# Altium PCB DL4-1AA.PcbDoc (part 5 of 5)
Units mm, origin at the board's own origin, x right, y up, seen from the top; angles counter-clockwise.
Board outline 200 x 80 mm, 4 copper layers (Top Layer, Mid 1 (GND), Mid 2 (PWR), Bottom Layer), stack 1.586 mm thick; 460 components, 324 nets, 1477 pads, 491 vias.
Unrouted connection lines stored in the file: 2.
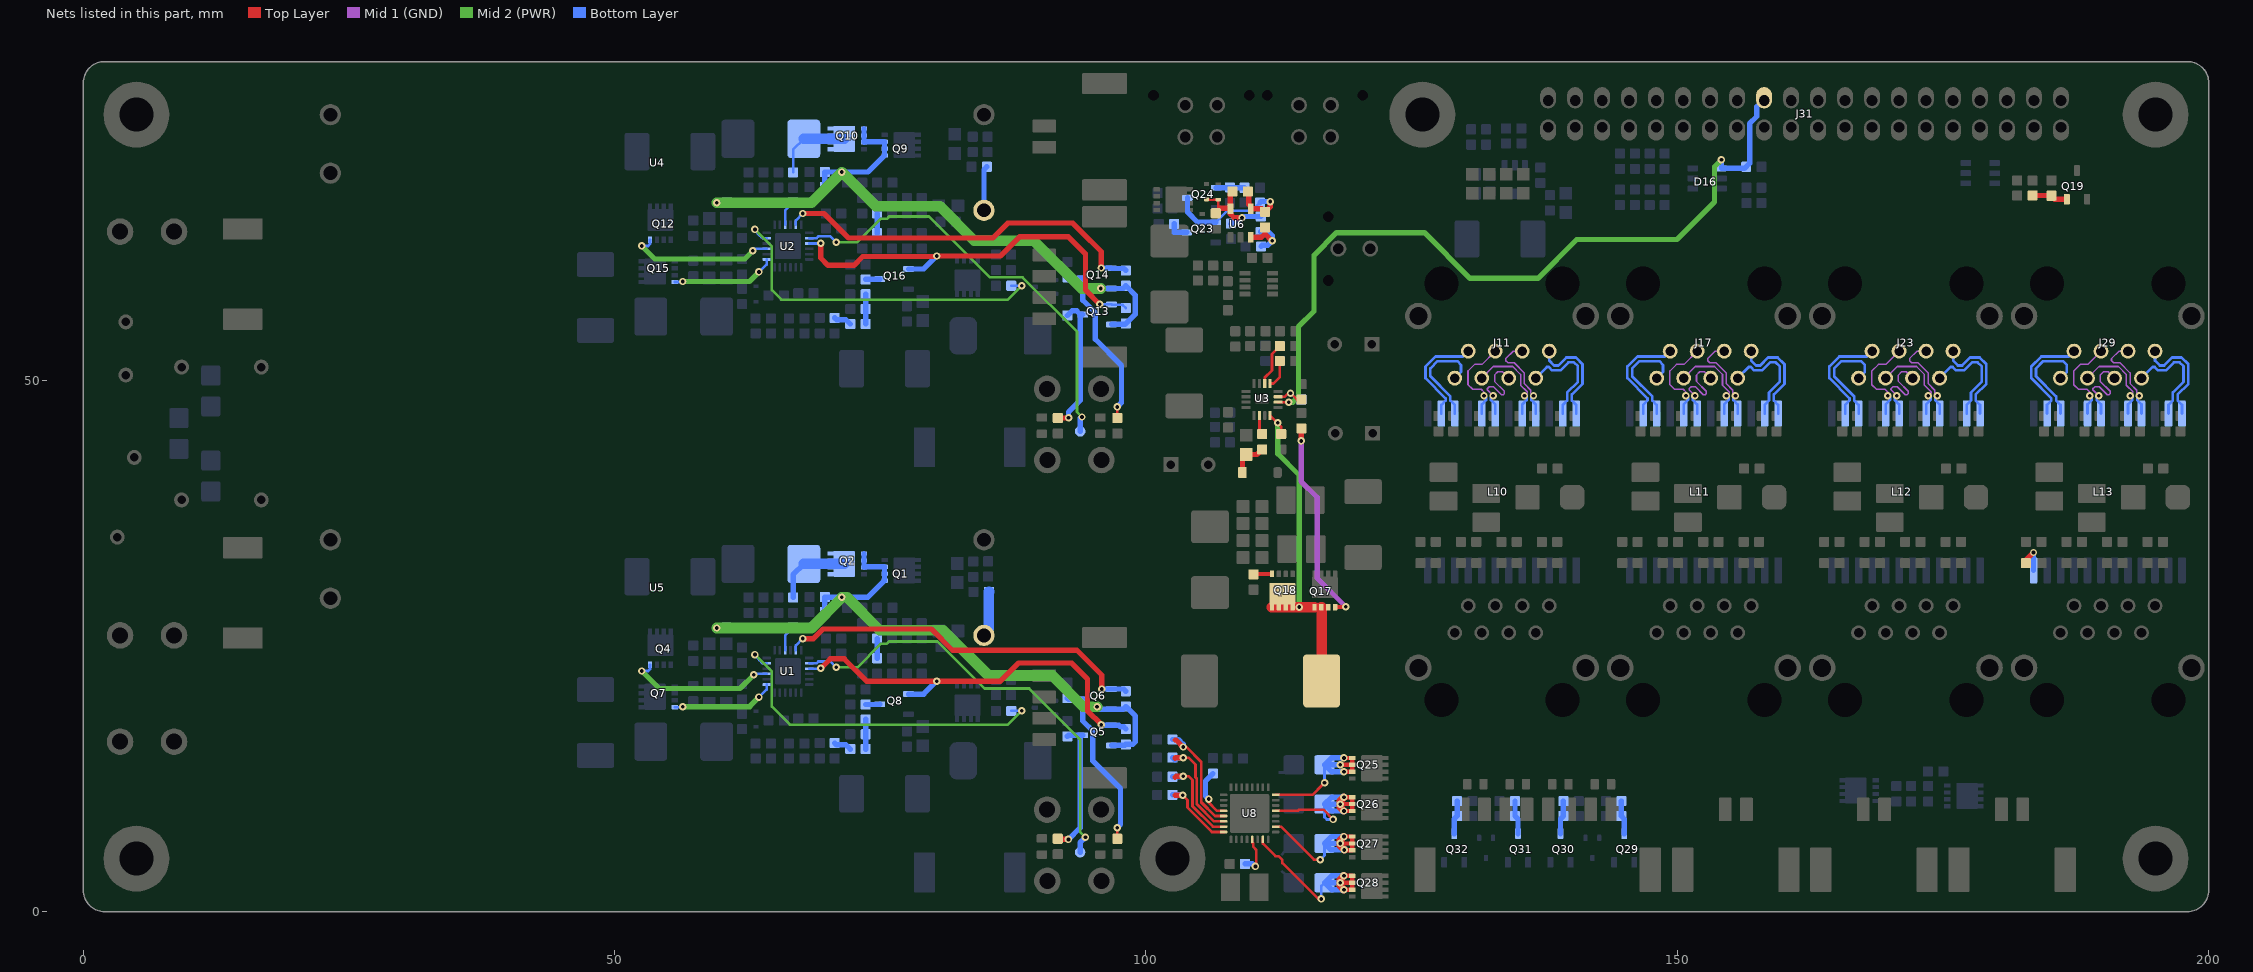
[diagram p7: the nets of this part, all layers, seen from the top]

## Via types
v1: diameter 0.7, hole 0.35, Top Layer to Bottom Layer, tented both sides, 480 vias
v2: diameter 0.7, hole 0.35, Top Layer to Bottom Layer, 11 vias

## Nets (pads, with @x,y where several pads share a name; then routed paths per layer and width w, separated by ;. In a path a pad name is that pad's centre, name@x,y a point inside that pad or via, vN(x,y) a via of type N, cw(c..) or ccw(c..) an arc to the next point about the centre after c; other vN are vias at no path point) (continued)
NetL13_24: L13.24 R105.1 | length 3
  Top Layer w0.5: R105.1@182.815,32.8 182.815,33.1 v1(183.515,33.8)
  Bottom Layer w0.5: L13.24@183.515,32.125 v1(183.515,33.8)
NetL14_1: L14.1 U4.3 | length 4.8
  Bottom Layer w0.5: U4.3@84.75,66.623 U4.3@84.75,66 84.75,69.825 L14.1@85.025,70.1
NetL16_1: L16.1 U5.3 | length 4.2
  Bottom Layer w1: U5.3@84.699,26.127 85.2,26.628 85.2,30.075 L16.1@85.225,30.1
NetQ2_D: Q2.D R1.1 R2.1 | length 7.4
  Bottom Layer w0.5: R2.1@66.8,29.577 66.8,31.727 R1.1@67.8,32.727
  Bottom Layer w1: R1.1@67.8,32.727 Q2.D@71.6,32.727
NetQ4_G: Q4.G U1.21 | length 14.3
  Mid 2 (PWR) w0.5: v1(52.55,22.65) 54.2,21 61.8,21 v1(63.1,22.3)
  Bottom Layer w0.25: v1(52.55,22.65) 53.15,22.65 53.325,22.825 Q4.G@53.325,23.227 ; v1(63.1,22.3) 63.176,22.377 U1.21@64.3,22.377
NetQ5_3: Q5.3 R17.1 R18.1 | length 13
  Top Layer w0.5: R17.1@91.699,6.863 91.731,6.832 92.668,6.832 v1(92.699,6.8)
  Bottom Layer w0.5: R18.1@92.599,16.5 92.699,16.6 Q5.3@93.8,16.6 ; v1(92.699,6.8) 93.8,7.901 Q5.3@93.8,16.6 ; Q5.3@93.8,16.6 Q5.3@94.049,16.6 Q5.3@93.8,16.6
NetQ6_3: Q6.3 R19.1 R20.1 | length 16.2
  Top Layer w0.25: R19.1@97.299,6.863 v1@97.299,7.899
  Bottom Layer w0.5: R20.1@92.599,20.1 92.699,20 Q6.3@94.049,20 94.049,17.951 95,17 95,14.2 97.6,11.6 97.6,8.2 v1(97.3,7.9)
NetQ7_G: Q7.G U1.19 | length 9.8
  Mid 2 (PWR) w0.5: v1(56.399,19.3) 62.7,19.3 63.587,20.187 v1(63.574,20.2)
  Bottom Layer w0.25: Q7.G@55.66,19.252 56.351,19.252 v1(56.399,19.3) ; v1(63.574,20.2) 63.6,20.2 64.3,20.9 U1.19@64.3,21.377
NetQ8_3: Q8.3 R25.2 | length 1.3
  Bottom Layer w0.5: R25.2@73.624,19.5 74.923,19.5 Q8.3@74.95,19.527
NetQ10_D: Q10.D R35.1 R36.1 | length 7.4
  Bottom Layer w0.25: R36.1@66.8,69.577 66.8,71.727 R35.1@67.8,72.727
  Bottom Layer w1: R35.1@67.8,72.727 Q10.D@71.6,72.727
NetQ12_G: Q12.G U2.21 | length 13.9
  Mid 2 (PWR) w0.5: v1(52.55,62.65) 53.773,61.427 62.243,61.427 v1(63,62.184)
  Bottom Layer w0.25: v1(52.55,62.65) 53.15,62.65 53.325,62.825 Q12.G@53.325,63.227 ; v1(63,62.184) 63,62.201 63.176,62.377 U2.21@64.3,62.377
NetQ13_3: Q13.3 R51.1 R52.1 | length 13.2
  Top Layer w0.5: R51.1@91.7,46.463 92.691,46.463 v1(92.714,46.486)
  Bottom Layer w0.5: R52.1@92.6,56.1 93.038,56.538 93.487,56.538 93.8,56.225 Q13.3@94.025,56.225 ; v1(92.714,46.486) 92.714,47.03 93.8,48.116 93.8,56.175 93.825,56.2 Q13.3@94.05,56.2
NetQ14_3: Q14.3 R53.1 R54.1 | length 16.3
  Top Layer w0.25: R53.1@97.3,46.463 v1(97.3,47.5)
  Bottom Layer w0.5: R54.1@92.6,59.7 92.701,59.599 94.049,59.599 94.049,57.551 95.225,56.375 95.225,53.875 97.7,51.4 97.7,47.9 v1(97.3,47.5)
NetQ15_G: Q15.G U2.19 | length 9.8
  Mid 2 (PWR) w0.5: v1(56.399,59.3) 62.674,59.3 v1(63.574,60.2)
  Bottom Layer w0.25: Q15.G@55.66,59.252 56.351,59.252 v1(56.399,59.3) ; v1(63.574,60.2) 63.6,60.2 64.3,60.9 U2.19@64.3,61.377
NetQ16_3: Q16.3 R59.2 | length 1.3
  Bottom Layer w0.5: R59.2@73.624,59.5 74.923,59.5 Q16.3@74.95,59.527
NetQ17_G: Q17.G R72.2 | length 19.5
  Top Layer w0.4: Q17.G@117.8,28.665 v1@118.765,28.665
  Top Layer w0.5: v1(114.6,44.3) 114.6,45.45 R72.2@114.625,45.475 ; v1@118.765,28.665 v1(118.8,28.7)
  Mid 1 (GND) w0.5: v1(114.6,44.3) 114.6,40.5 116.1,39 116.1,31.4 v1(118.8,28.7)
NetQ18_G: Q18.G R77.2 | length 1.7
  Top Layer w0.25: R77.2@110.125,31.75 R77.2@110.16,31.785
  Top Layer w0.4: R77.2@110.16,31.785 Q18.G@111.85,31.785
NetQ19_1: Q19.1@186.65,67.05 R120.2 R121.1 | length 3.4
  Top Layer w0.5: R120.2@183.425,67.4 184.975,67.4 185,67.375 R121.1@185.2,67.375 185.525,67.05 Q19.1@186.65,67.05
NetQ23_1: Q23.1@106.55,64.875 Q24.3 R136.2 R140.2 R142.1 U6.4 | length 14.9
  Top Layer w0.5: R136.2@109.585,67.775 109.675,67.685 109.675,66.55 109.825,66.4 109.825,66.175 U6.4@109.85,66.15 110.9,66.15 R140.2@111.2,65.85 111.7,66.35 v1(111.7,66.825)
  Bottom Layer w0.25: Q23.1@106.55,64.875 107.625,65.95 108.35,65.95 108.433,65.95 109.95,65.95 R142.1@110.725,66.725 ; v1@111.675,66.725 111.7,66.75 v1(111.7,66.825)
  Bottom Layer w0.5: Q24.3@103.9,67.175 103.9,65.825 104.85,64.875 Q23.1@106.55,64.875 ; R142.1@110.725,66.725 110.825,66.825 v1(111.7,66.825)
NetQ23_3: Q23.3 R135.2 | length 2
  Bottom Layer w0.5: R135.2@102.65,64.725 102.65,63.95 102.675,63.925 Q23.3@103.85,63.925
NetQ24_1: Q24.1@106.6,68.125 R143.2 R144.1 | length 2.6
  Bottom Layer w0.5: Q24.1@106.6,68.125 R144.1@107.9,68.125 ; R144.1@107.925,68.125 R143.2@109.275,68.125
NetQ25_S: Q25.S R146.1 U8.32 | length 16.4
  Top Layer w0.25: U8.32@112.2,11 115.675,11 116.575,11.9 v1(116.8,12.125)
  Top Layer w0.4: v1(118.275,13.825) Q25.S@119.4,13.825 ; v1(118.625,13.175) Q25.S@119.4,13.175 Q25.S@119.4,13.825 ; v1(118.625,14.475) Q25.S@119.4,14.475 Q25.S@119.4,13.825
  Bottom Layer w0.25: v1(116.8,12.125) R146.1@116.8,13.825
  Bottom Layer w0.5: v1(118.275,13.825) R146.1@116.8,13.825 ; v1(118.625,13.175) 117.45,13.175 R146.1@116.8,13.825 ; v1(118.625,14.475) 117.45,14.475 R146.1@116.8,13.825
NetQ26_S: Q26.S R148.1 U8.29 | length 19.2
  Top Layer w0.25: U8.29@112.2,9.5 114.3,9.5 114.4,9.6 116.684,9.6 v1(117.6,8.684)
  Top Layer w0.4: v1(118.275,10.125) Q26.S@119.4,10.125 ; v1(118.625,9.475) Q26.S@119.4,9.475 Q26.S@119.4,10.125 ; v1(118.625,10.775) Q26.S@119.4,10.775 Q26.S@119.4,10.125
  Top Layer w0.7: v1(118.625,9.475) 118.275,9.825 v1(118.275,10.125) 118.275,10.425 v1(118.625,10.775)
  Bottom Layer w0.25: R148.1@116.8,10.125 116.8,8.904 117.02,8.684 v1(117.6,8.684)
  Bottom Layer w0.5: v1(118.275,10.125) R148.1@116.8,10.125 ; v1(118.625,9.475) 117.45,9.475 R148.1@116.8,10.125 ; v1(118.625,10.775) 117.45,10.775 R148.1@116.8,10.125
NetQ27_S: Q27.S R149.1 U8.26 | length 18.4
  Top Layer w0.25: U8.26@112.2,8 112.7,8 115.8,4.9 v1(116.4,4.9) ; v1@118.667,5.775 v1(118.667,5.817)
  Top Layer w0.4: v1(118.275,6.425) Q27.S@119.4,6.425 ; v1(118.625,7.075) Q27.S@119.4,7.075 Q27.S@119.4,5.775 v1@118.667,5.775
  Top Layer w0.7: v1(118.625,7.075) 118.275,6.725 v1(118.275,6.425) 118.275,6.209 v1(118.667,5.817)
  Bottom Layer w0.25: v1(116.4,4.9) 116.8,5.3 R149.1@116.8,6.425
  Bottom Layer w0.5: v1(118.275,6.425) R149.1@116.8,6.425 ; v1(118.625,7.075) 117.45,7.075 R149.1@116.8,6.425 ; v1(118.667,5.817) 117.408,5.817 R149.1@116.8,6.425
NetQ28_S: Q28.S R155.1 U8.23 | length 21.1
  Top Layer w0.25: U8.23@111,6.8 111,6.416 112.191,5.225 112.459,5.225 112.825,4.859 112.825,4.591 116.216,1.2 v1(116.5,1.2)
  Top Layer w0.4: v1(118.275,2.725) Q28.S@119.4,2.725 ; v1(118.625,2.075) Q28.S@119.4,2.075 Q28.S@119.4,3.375 v1(118.625,3.375)
  Top Layer w0.7: v1(118.625,2.075) 118.275,2.425 v1(118.275,2.725) 118.275,3.025 v1(118.625,3.375)
  Bottom Layer w0.25: v1(116.5,1.2) 116.5,2.025 116.5,2.425 R155.1@116.8,2.725
  Bottom Layer w0.5: v1(118.275,2.725) R155.1@116.8,2.725 ; v1(118.625,2.075) 117.45,2.075 R155.1@116.8,2.725 ; v1(118.625,3.375) 117.45,3.375 R155.1@116.8,2.725
NetQ29_3: Q29.3 R156.2 R160.2 | length 3.2
  Bottom Layer w0.5: R160.2@144.725,10.4 R156.2@144.725,9 145,8.725 Q29.3@145,7.35
NetQ30_3: Q30.3 R157.2 R161.2 | length 3.2
  Bottom Layer w0.5: Q30.3@139,7.35 139,8.725 R157.2@139.275,9 R161.2@139.275,10.4
NetQ31_3: Q31.3 R158.2 R162.2 | length 3.2
  Bottom Layer w0.5: R162.2@134.725,10.4 R158.2@134.725,9 135,8.725 Q31.3@135,7.35
NetQ32_3: Q32.3 R159.2 R163.2 | length 3.2
  Bottom Layer w0.5: Q32.3@129,7.35 129,8.725 R159.2@129.275,9 R163.2@129.275,10.4
NetR6_1: R6.1 U1.23 | length 32.8
  Mid 2 (PWR) w0.25: v1(63.199,24.2) 64.799,22.6 64.799,19.3 66.499,17.6 86.999,17.6 v1(88.299,18.9)
  Bottom Layer w0.25: v1(63.199,24.2) 63.199,24.1 63.625,23.675 63.823,23.477 63.923,23.377 U1.23@64.3,23.377 ; R6.1@87.324,18.9 v1(88.299,18.9)
NetR7_2: R7.2 U1.3 | length 2.4
  Bottom Layer w0.25: U1.3@66.05,24.627 66.05,25.977 R7.2@66.8,26.727
NetR15_2: R15.2 R16.1 | length 1.7
  Bottom Layer w0.5: R15.2@70.7,15.877 70.877,15.7 71.774,15.7 R16.1@72.174,15.3
NetR16_2: R16.2 R21.1 R23.1 | length 2.8
  Bottom Layer w0.5: R16.2@73.624,15.3 R21.1@73.624,16.7 R23.1@73.624,18.1
NetR22_2: R22.2 R24.1 | length 1.9
  Bottom Layer w0.5: R22.2@74.7,23.852 R24.1@74.7,25.702
NetR40_1: R40.1 U2.23 | length 33.2
  Mid 2 (PWR) w0.25: v1(63.199,64.2) 64.799,62.6 64.799,58.501 65.7,57.6 86.999,57.6 v1(88.299,58.9)
  Bottom Layer w0.25: v1(63.199,64.2) 63.199,64.1 63.7,63.6 63.823,63.477 63.923,63.377 U2.23@64.3,63.377 ; R40.1@87.324,58.9 v1(88.299,58.9)
NetR41_2: R41.2 U2.3 | length 2.4
  Bottom Layer w0.25: U2.3@66.05,64.627 66.05,65.977 R41.2@66.8,66.727
NetR49_2: R49.2 R50.1 | length 1.7
  Bottom Layer w0.5: R49.2@70.7,55.877 70.877,55.7 71.774,55.7 R50.1@72.174,55.3
NetR50_2: R50.2 R55.1 R57.1 | length 2.8
  Bottom Layer w0.5: R50.2@73.624,55.3 R55.1@73.624,56.7 R57.1@73.624,58.1
NetR56_2: R56.2 R58.1 | length 1.9
  Bottom Layer w0.5: R56.2@74.7,63.852 R58.1@74.7,65.702
NetR73_2: R73.2 R75.1 U3.15 | length 3.9
  Top Layer w0.25: U3.15@112.425,48.45 113.041,48.45 113.391,48.8 v1(113.6,48.8) 114.2,48.2 R75.1@114.625,48.2
  Bottom Layer w0.25: v1(113.6,48.8) 114.2,48.2 R73.2@114.625,48.2
NetR74_2: R74.2 U3.10 | length 1.9
  Top Layer w0.25: U3.10@110.675,46.7 110.675,45.2 R74.2@110.925,44.95
NetR137_2: R137.2 R139.1 R140.1 U6.3 | length 6.6
  Top Layer w0.5: U6.3@109.85,63.45 109.875,63.475 110.875,63.475 111.2,63.8 ; v1(111.875,63.125) 111.2,63.8 ; 111.2,63.8 R140.1@111.2,64.4 111.2,63.8
  Bottom Layer w0.5: R137.2@110.8,63.975 111.525,63.975 111.875,63.625 v1(111.875,63.125) 111.475,62.725 110.95,62.725 R139.1@110.825,62.6
NetTP1_1: TP1.1 U1.8 | length 41.6
  Mid 2 (PWR) w0.25: v1(70.849,23) 72.834,23 75.034,25.2 75.6,25.2 75.825,25.425 76.325,25.425 80.375,25.425 84.8,21 89,21 93.8,16.2 93.8,9.777 93.8,7.499 v1(94.299,7)
  Bottom Layer w0.25: U1.8@68.3,23.377 68.992,23.377 69.165,23.55 70.299,23.55 v1(70.849,23)
  Bottom Layer w0.5: TP1.1@93.799,5.6 93.799,6.5 v1(94.299,7)
NetTP2_1: TP2.1 U2.8 | length 40.7
  Mid 2 (PWR) w0.25: v1(70.849,63) 72.834,63 75.034,65.2 75.615,65.2 75.84,65.425 75.864,65.425 76.325,65.425 79.575,65.425 85.3,59.7 88.4,59.7 93.5,54.6 93.5,47.031 v1(93.98,46.551)
  Bottom Layer w0.25: U2.8@68.3,63.377 68.992,63.377 69.165,63.55 70.299,63.55 v1(70.849,63)
  Bottom Layer w0.5: TP2.1@93.8,45.2 93.803,45.203 93.803,46.45 93.904,46.551 v1(93.98,46.551)
PGOOD: D16.4 J31.18 R117.2 U3.14 | length 73.8
  Top Layer w0.25: U3.14@112.425,47.95 v1(113.425,47.95)
  Mid 2 (PWR) w0.5: v1(113.425,47.95) 113.81,47.95 114.35,48.489 114.35,49.111 114.35,55.05 115.8,56.5 115.8,61.762 117.938,63.9 126.2,63.9 130.5,59.6 136.887,59.6 140.537,63.25 149.95,63.25 153.496,66.796 153.496,68.396 153.496,70.096 v1(154.15,70.75)
  Bottom Layer w0.5: v1(154.15,70.75) D16.4@154.15,69.95 156.325,69.95 R117.2@156.475,70.1 156.8,70.425 156.8,74.166 157.467,74.833 157.467,75.747 J31.18@158.16,76.44
PMAX: R154.1 U8.21 | length 3.9
  Top Layer w0.25: U8.21@110,6.8 110,6.5 110.1,6.4 110.1,6.103 110.371,5.832 110.375,5.828 110.375,4.539 110.223,4.387 110.323,4.287 v1(110.3,4.264)
  Bottom Layer w0.5: R154.1@109.325,4.5 110,4.5 110.236,4.264 v1(110.3,4.264)
PoE_A0: J43.2 R150.1 U8.13 | length 11.2
  Top Layer w0.25: v1(103.5,15.5) 103.8,15.5 105.2,14.1 105.2,10.3 106.5,9 106.75,9 U8.13@107.3,9
  Top Layer w0.5: J43.2@102.725,16.15 102.85,16.15 v1(103.5,15.5)
  Bottom Layer w0.5: R150.1@102.5,16.2 103.05,16.2 103.5,15.75 v1(103.5,15.5)
PoE_A1: J44.2 R151.1 U8.14 | length 10.4
  Top Layer w0.25: v1(103.5,14.5) 104,14.5 104.651,13.849 104.651,12.665 104.775,12.541 104.775,10.125 106.4,8.5 107.038,8.5 U8.14@107.3,8.5
  Top Layer w0.5: J44.2@102.725,14.45 102.775,14.5 v1(103.5,14.5)
  Bottom Layer w0.5: R151.1@102.5,14.5 102.725,14.275 102.95,14.5 v1(103.5,14.5)
PoE_A2: J45.2 R152.1 U8.15 | length 9
  Top Layer w0.25: v1(103.5,12.75) 104,12.75 104.375,12.375 104.375,9.925 106.3,8 U8.15@107.3,8
  Top Layer w0.5: J45.2@102.725,12.65 102.825,12.75 v1(103.5,12.75)
  Bottom Layer w0.5: R152.1@102.5,12.7 103.45,12.7 v1(103.5,12.75)
PoE_A3: J46.2 R153.1 U8.16 | length 7.4
  Top Layer w0.25: v1(103.45,10.95) 103.9,10.5 103.9,9.8 106.2,7.5 U8.16@107.3,7.5
  Top Layer w0.5: J46.2@102.725,10.95 v1(103.45,10.95)
  Bottom Layer w0.5: R153.1@102.5,11 103.4,11 v1(103.45,10.95)
PoE_En: R145.2 U8.12 | length 4.8
  Top Layer w0.25: v1(105.9,10.6) 105.9,10.3 106.7,9.5 U8.12@107.3,9.5
  Bottom Layer w0.5: v1(105.9,10.6) 105.6,10.9 105.6,12.3 R145.2@106.3,13
"POE_TD0_Ethernet Channel 1_N": J11.2 L10.11 | length 10
  Bottom Layer w0.25: J11.2@136.675,50.21 137.717,51.252 137.911,51.252 138.214,50.95 138.986,50.95 139.736,51.7 140.258,51.7 140.628,51.33 140.628,49.865 139.625,48.861 139.625,48.1 139.215,47.69 L10.11@139.215,46.875
"POE_TD0_Ethernet Channel 1_P": J11.1@137.945,52.75 L10.12 | length 10
  Bottom Layer w0.25: J11.1@137.945,52.75 137.945,51.855 138.4,51.4 138.8,51.4 139.55,52.15 140.445,52.15 141.078,51.517 141.078,49.678 140.075,48.675 140.075,48.1 140.485,47.69 L10.12@140.485,46.875
"POE_TD0_Ethernet Channel 2_N": J17.2 L11.11 | length 10
  Bottom Layer w0.25: J17.2@155.675,50.21 156.717,51.252 156.911,51.252 157.214,50.95 157.986,50.95 158.736,51.7 159.258,51.7 159.628,51.33 159.628,49.865 158.625,48.861 158.625,48.1 158.215,47.69 L11.11@158.215,46.875
"POE_TD0_Ethernet Channel 2_P": J17.1@156.945,52.75 L11.12 | length 10
  Bottom Layer w0.25: J17.1@156.945,52.75 156.945,51.855 157.4,51.4 157.8,51.4 158.55,52.15 159.445,52.15 160.078,51.517 160.078,49.678 159.075,48.675 159.075,48.1 159.485,47.69 L11.12@159.485,46.875
"POE_TD0_Ethernet Channel 3_N": J23.2 L12.11 | length 10
  Bottom Layer w0.25: J23.2@174.675,50.21 175.717,51.252 175.911,51.252 176.214,50.95 176.986,50.95 177.736,51.7 178.258,51.7 178.628,51.33 178.628,49.865 177.625,48.861 177.625,48.1 177.215,47.69 L12.11@177.215,46.875
"POE_TD0_Ethernet Channel 3_P": J23.1@175.945,52.75 L12.12 | length 10
  Bottom Layer w0.25: J23.1@175.945,52.75 175.945,51.855 176.4,51.4 176.8,51.4 177.55,52.15 178.445,52.15 179.078,51.517 179.078,49.678 178.075,48.675 178.075,48.1 178.485,47.69 L12.12@178.485,46.875
"POE_TD0_Ethernet Channel 4_N": J29.2 L13.11 | length 10
  Bottom Layer w0.25: J29.2@193.675,50.21 194.717,51.252 194.911,51.252 195.214,50.95 195.986,50.95 196.736,51.7 197.258,51.7 197.628,51.33 197.628,49.865 196.625,48.861 196.625,48.1 196.215,47.69 L13.11@196.215,46.875
"POE_TD0_Ethernet Channel 4_P": J29.1@194.945,52.75 L13.12 | length 10
  Bottom Layer w0.25: J29.1@194.945,52.75 194.945,51.855 195.4,51.4 195.8,51.4 196.55,52.15 197.445,52.15 198.078,51.517 198.078,49.678 197.075,48.675 197.075,48.1 197.485,47.69 L13.12@197.485,46.875
"POE_TD1_Ethernet Channel 1_N": J11.6 L10.8 | length 8.7
  Mid 1 (GND) w0.15: J11.6@131.595,50.21 132.685,51.3 134.5,51.3 135.25,50.55 135.25,49.55 135.865,48.935 135.865,48.8 v1(135.615,48.55)
  Bottom Layer w0.25: L10.8@135.405,46.875 135.405,47.74 135.815,48.15 135.815,48.35 v1(135.615,48.55)
"POE_TD1_Ethernet Channel 1_P": J11.3 L10.9 | length 8.7
  Mid 1 (GND) w0.15: J11.3@135.405,52.75 134.55,52.75 133.851,52.051 133.851,51.855 134.056,51.65 134.645,51.65 135.6,50.695 135.6,49.695 136.215,49.08 136.215,48.8 v1(136.465,48.55)
  Bottom Layer w0.25: v1(136.465,48.55) 136.265,48.35 136.265,48.15 136.675,47.74 L10.9@136.675,46.875
"POE_TD1_Ethernet Channel 2_N": J17.6 L11.8 | length 8.7
  Mid 1 (GND) w0.15: J17.6@150.595,50.21 151.685,51.3 153.5,51.3 154.25,50.55 154.25,49.55 154.865,48.935 154.865,48.8 v1(154.615,48.55)
  Bottom Layer w0.25: L11.8@154.405,46.875 154.405,47.74 154.815,48.15 154.815,48.35 v1(154.615,48.55)
"POE_TD1_Ethernet Channel 2_P": J17.3 L11.9 | length 8.7
  Mid 1 (GND) w0.15: J17.3@154.405,52.75 153.55,52.75 152.851,52.051 152.851,51.855 153.056,51.65 153.645,51.65 154.6,50.695 154.6,49.695 155.215,49.08 155.215,48.8 v1(155.465,48.55)
  Bottom Layer w0.25: v1(155.465,48.55) 155.265,48.35 155.265,48.15 155.675,47.74 L11.9@155.675,46.875
"POE_TD1_Ethernet Channel 3_N": J23.6 L12.8 | length 8.7
  Mid 1 (GND) w0.15: J23.6@169.595,50.21 170.685,51.3 172.5,51.3 173.25,50.55 173.25,49.55 173.865,48.935 173.865,48.8 v1(173.615,48.55)
  Bottom Layer w0.25: L12.8@173.405,46.875 173.405,47.74 173.815,48.15 173.815,48.35 v1(173.615,48.55)
"POE_TD1_Ethernet Channel 3_P": J23.3 L12.9 | length 8.7
  Mid 1 (GND) w0.15: J23.3@173.405,52.75 172.55,52.75 171.851,52.051 171.851,51.855 172.056,51.65 172.645,51.65 173.6,50.695 173.6,49.695 174.215,49.08 174.215,48.8 v1(174.465,48.55)
  Bottom Layer w0.25: v1(174.465,48.55) 174.265,48.35 174.265,48.15 174.675,47.74 L12.9@174.675,46.875
"POE_TD1_Ethernet Channel 4_N": J29.6 L13.8 | length 8.7
  Mid 1 (GND) w0.15: J29.6@188.595,50.21 189.685,51.3 191.5,51.3 192.25,50.55 192.25,49.55 192.865,48.935 192.865,48.8 v1(192.615,48.55)
  Bottom Layer w0.25: L13.8@192.405,46.875 192.405,47.74 192.815,48.15 192.815,48.35 v1(192.615,48.55)
"POE_TD1_Ethernet Channel 4_P": J29.3 L13.9 | length 8.7
  Mid 1 (GND) w0.15: J29.3@192.405,52.75 191.55,52.75 190.851,52.051 190.851,51.855 191.056,51.65 191.645,51.65 192.6,50.695 192.6,49.695 193.215,49.08 193.215,48.8 v1(193.465,48.55)
  Bottom Layer w0.25: v1(193.465,48.55) 193.265,48.35 193.265,48.15 193.675,47.74 L13.9@193.675,46.875
"POE_TD2_Ethernet Channel 1_N": J11.5 L10.5 | length 8.7
  Mid 1 (GND) w0.15: v1(131.805,48.55) 131.805,48.895 131.547,49.153 130.737,49.153 130.3,49.59 130.3,50.88 130.92,51.5 131.615,51.5 J11.5@132.865,52.75
  Bottom Layer w0.25: L10.5@131.595,46.875 131.595,47.74 132.005,48.15 132.005,48.35 v1(131.805,48.55)
"POE_TD2_Ethernet Channel 1_P": J11.4 L10.6 | length 8.7
  Mid 1 (GND) w0.15: v1(132.655,48.55) 132.1,49.105 132.1,49.2 132.3,49.4 132.7,49.4 133.449,48.651 133.613,48.651 133.728,48.767 133.728,48.972 132.8,49.9 132.8,50.5 133.1,50.8 133.545,50.8 J11.4@134.135,50.21
  Bottom Layer w0.25: v1(132.655,48.55) 132.455,48.35 132.455,48.15 132.865,47.74 L10.6@132.865,46.875
"POE_TD2_Ethernet Channel 2_N": J17.5 L11.5 | length 8.7
  Mid 1 (GND) w0.15: v1(150.805,48.55) 150.805,48.895 150.547,49.153 149.737,49.153 149.3,49.59 149.3,50.88 149.92,51.5 150.615,51.5 J17.5@151.865,52.75
  Bottom Layer w0.25: L11.5@150.595,46.875 150.595,47.74 151.005,48.15 151.005,48.35 v1(150.805,48.55)
"POE_TD2_Ethernet Channel 2_P": J17.4 L11.6 | length 8.7
  Mid 1 (GND) w0.15: v1(151.655,48.55) 151.1,49.105 151.1,49.2 151.3,49.4 151.7,49.4 152.449,48.651 152.613,48.651 152.728,48.767 152.728,48.972 151.8,49.9 151.8,50.5 152.1,50.8 152.545,50.8 J17.4@153.135,50.21
  Bottom Layer w0.25: v1(151.655,48.55) 151.455,48.35 151.455,48.15 151.865,47.74 L11.6@151.865,46.875
"POE_TD2_Ethernet Channel 3_N": J23.5 L12.5 | length 8.7
  Mid 1 (GND) w0.15: v1(169.805,48.55) 169.805,48.895 169.547,49.153 168.737,49.153 168.3,49.59 168.3,50.88 168.92,51.5 169.615,51.5 J23.5@170.865,52.75
  Bottom Layer w0.25: L12.5@169.595,46.875 169.595,47.74 170.005,48.15 170.005,48.35 v1(169.805,48.55)
"POE_TD2_Ethernet Channel 3_P": J23.4 L12.6 | length 8.7
  Mid 1 (GND) w0.15: v1(170.655,48.55) 170.1,49.105 170.1,49.2 170.3,49.4 170.7,49.4 171.449,48.651 171.613,48.651 171.728,48.767 171.728,48.972 170.8,49.9 170.8,50.5 171.1,50.8 171.545,50.8 J23.4@172.135,50.21
  Bottom Layer w0.25: v1(170.655,48.55) 170.455,48.35 170.455,48.15 170.865,47.74 L12.6@170.865,46.875
"POE_TD2_Ethernet Channel 4_N": J29.5 L13.5 | length 8.7
  Mid 1 (GND) w0.15: v1(188.805,48.55) 188.805,48.895 188.547,49.153 187.737,49.153 187.3,49.59 187.3,50.88 187.92,51.5 188.615,51.5 J29.5@189.865,52.75
  Bottom Layer w0.25: L13.5@188.595,46.875 188.595,47.74 189.005,48.15 189.005,48.35 v1(188.805,48.55)
"POE_TD2_Ethernet Channel 4_P": J29.4 L13.6 | length 8.7
  Mid 1 (GND) w0.15: v1(189.655,48.55) 189.1,49.105 189.1,49.2 189.3,49.4 189.7,49.4 190.449,48.651 190.613,48.651 190.728,48.767 190.728,48.972 189.8,49.9 189.8,50.5 190.1,50.8 190.545,50.8 J29.4@191.135,50.21
  Bottom Layer w0.25: v1(189.655,48.55) 189.455,48.35 189.455,48.15 189.865,47.74 L13.6@189.865,46.875
"POE_TD3_Ethernet Channel 1_N": J11.8 L10.3 | length 10
  Bottom Layer w0.25: L10.3@129.055,46.875 129.055,47.69 128.645,48.1 128.645,48.491 126.75,50.386 126.75,51.121 127.429,51.8 129.3,51.8 129.648,51.452 129.648,50.803 J11.8@129.055,50.21
"POE_TD3_Ethernet Channel 1_P": J11.7 L10.2 | length 10
  Bottom Layer w0.25: L10.2@127.785,46.875 127.785,47.69 128.195,48.1 128.195,48.305 126.3,50.2 126.3,51.307 127.243,52.25 129.825,52.25 J11.7@130.325,52.75
"POE_TD3_Ethernet Channel 2_N": J17.8 L11.3 | length 10
  Bottom Layer w0.25: L11.3@148.055,46.875 148.055,47.69 147.645,48.1 147.645,48.491 145.75,50.386 145.75,51.121 146.429,51.8 148.3,51.8 148.648,51.452 148.648,50.803 J17.8@148.055,50.21
"POE_TD3_Ethernet Channel 2_P": J17.7 L11.2 | length 10
  Bottom Layer w0.25: L11.2@146.785,46.875 146.785,47.69 147.195,48.1 147.195,48.305 145.3,50.2 145.3,51.307 146.243,52.25 148.825,52.25 J17.7@149.325,52.75
"POE_TD3_Ethernet Channel 3_N": J23.8 L12.3 | length 10
  Bottom Layer w0.25: L12.3@167.055,46.875 167.055,47.69 166.645,48.1 166.645,48.491 164.75,50.386 164.75,51.121 165.429,51.8 167.3,51.8 167.648,51.452 167.648,50.803 J23.8@167.055,50.21
"POE_TD3_Ethernet Channel 3_P": J23.7 L12.2 | length 10
  Bottom Layer w0.25: L12.2@165.785,46.875 165.785,47.69 166.195,48.1 166.195,48.305 164.3,50.2 164.3,51.307 165.243,52.25 167.825,52.25 J23.7@168.325,52.75
"POE_TD3_Ethernet Channel 4_N": J29.8 L13.3 | length 10
  Bottom Layer w0.25: L13.3@186.055,46.875 186.055,47.69 185.645,48.1 185.645,48.491 183.75,50.386 183.75,51.121 184.429,51.8 186.3,51.8 186.648,51.452 186.648,50.803 J29.8@186.055,50.21
"POE_TD3_Ethernet Channel 4_P": J29.7 L13.2 | length 10
  Bottom Layer w0.25: L13.2@184.785,46.875 184.785,47.69 185.195,48.1 185.195,48.305 183.3,50.2 183.3,51.307 184.243,52.25 186.825,52.25 J29.7@187.325,52.75
RT/CLK: R79.1 U3.1@111.675,49.7 | length 2.7
  Top Layer w0.25: U3.1@111.675,49.7 112,49.7 112.6,50.3 R79.1@112.6,51.825
SS: C71.1 U3.2 | length 4.1
  Top Layer w0.25: U3.2@111.175,49.7 111.175,50.25 111.85,50.925 111.85,52.475 C71.1@112.6,53.225
"STAT1_Charger Lower": Q6.1@96.749,20.95 R10.2 U1.5 | length 35.3
  Top Layer w0.5: v1(67.699,25.7) 68.7,25.7 69.6,26.6 79.8,26.6 81.8,24.6 93.5,24.6 95.849,22.251 v1(95.849,20.95)
  Bottom Layer w0.25: U1.5@67.05,24.627 67.05,25.051 v1(67.699,25.7)
  Bottom Layer w0.5: v1(95.849,20.95) Q6.1@96.749,20.95 97.899,20.95 R10.2@98.099,20.75
"STAT1_Charger Upper": Q14.1@96.75,60.55 R44.2 U2.5 | length 36
  Top Layer w0.5: v1(67.699,65.7) 69.7,65.7 72,63.4 85.6,63.4 87,64.8 93.1,64.8 93.6,64.3 93.6,64.293 93.893,64 93.9,64 95.799,62.101 v1(95.799,60.575)
  Bottom Layer w0.25: U2.5@67.05,64.627 67.05,65.051 v1(67.699,65.7)
  Bottom Layer w0.5: v1(95.799,60.575) 96.725,60.575 96.775,60.525 97.925,60.525 R44.2@98.1,60.35
"STAT2_Charger Lower": Q5.1@96.749,17.55 Q8.1@77.65,20.477 R9.2 U1.9 | length 39.2
  Top Layer w0.5: v1(69.399,22.9) 70.299,23.8 71.6,23.8 73.7,21.7 v1(80.299,21.7) 86.3,21.7 88,23.4 93,23.4 94.5,21.9 94.5,18.899 v1(95.799,17.6)
  Bottom Layer w0.25: U1.9@68.3,22.877 69.376,22.877 v1(69.399,22.9)
  Bottom Layer w0.5: Q8.1@77.65,20.477 79.076,20.477 v1(80.299,21.7) ; v1(95.799,17.6) 95.849,17.55 Q5.1@96.749,17.55 97.45,17.55 97.6,17.4 97.899,17.4 R9.2@98.099,17.2
"STAT2_Charger Upper": Q13.1@96.75,57.15 Q16.1@77.65,60.477 R43.2 U2.9 | length 40.5
  Top Layer w0.5: v1(69.399,62.9) 69.399,61.514 70.089,60.824 72.524,60.824 73.35,61.65 74.589,61.65 75.21,61.65 80.249,61.65 v1(80.299,61.7) 86.3,61.7 88.1,63.5 92.7,63.5 94.3,61.9 94.3,58.497 v1(95.647,57.15)
  Bottom Layer w0.25: U2.9@68.3,62.877 69.376,62.877 v1(69.399,62.9) ; v1(95.647,57.15) Q13.1@96.75,57.15 96.798,57.102 97.798,57.102 R43.2@98.1,56.8
  Bottom Layer w0.5: Q16.1@77.65,60.477 79.076,60.477 v1(80.299,61.7)
SW: C66.2 L8.2 Q17.S Q18.D U3.12 | length 31.3
  Top Layer w0.25: U3.12@111.675,46.7 112.725,45.65 C66.2@112.725,44.95
  Top Layer w1: Q18.D@111.85,28.66 111.855,28.665 v1(114.425,28.665) Q17.S@115.85,28.665 ; Q17.S@116.5,28.665 116.525,28.64 L8.2@116.525,21.725
  Mid 2 (PWR) w0.5: v1(112.4,46) 112.4,43.1 114.425,41.075 v1(114.425,28.665)
VCC: C133.1 J43.1 J44.1 J45.1 J46.1 R145.1 R147.1 U8.20 | length 31.6
  Top Layer w0.25: C133.1@109.325,4.5 109.7,4.875 v1@109.7,5.6 ; U8.20@109.5,6.8 109.5,6.3 109.7,6.1 v1@109.7,5.6 ; v1(109.746,5.573) 109.719,5.6 v1@109.7,5.6
  Top Layer w0.5: v1(100.197,15.459) 100.209,15.459 100.281,15.531 101.588,15.531 ; 101.25,15.531 101.925,15.531 J44.1@101.925,14.45 J45.1@101.925,12.65 101.925,11.118 101.971,11.071 101.971,10.996 J46.1@101.925,10.95 ; 101.925,14.925 J43.1@101.925,16.15
  Bottom Layer w0.5: v1(100.197,15.459) 100.25,15.513 100.25,15.54 100.175,15.615 100.175,16.785 100.465,17.075 103.486,17.075 106.111,14.45 R145.1@106.3,14.45 106.325,14.425 107.65,14.425 108.25,13.825 108.25,13.65 108.8,13.1 108.8,12.1 108.2,11.5 108.2,11.4 107.4,10.6 107.4,8 107.75,7.65 107.75,7.589 108.189,7.15 108.3,7.15 108.8,6.65 108.811,6.65 109.25,6.211 109.25,6.069 v1(109.746,5.573)
VCC: C68.1 D11.2 R74.1 | length 3.5
  Top Layer w0.5: D11.2@109.075,41.325 109.075,42.675 C68.1@109.425,43.025 110.45,43.025 R74.1@110.925,43.5
VCC_On_Off: C129.1 D18.1 D19.1 R136.1 R137.1 R138.1 U6.5 | length 10.9
  Top Layer w0.2: R136.1@107.91,67.55 R136.1@108.135,67.775
  Top Layer w0.25: D19.1@105.7,67.025 105.725,67 D18.1@106.8,67 106.8,66.176 R138.1@106.855,66.121 ; R136.1@107.91,67.535 R136.1@108.1,67.725
  Top Layer w0.5: R138.1@106.56,65.725 107.035,66.2 107.925,66.2 107.95,66.175 U6.5@107.95,66.15 ; R136.1@108.135,67.775 107.91,67.55 107.91,67.535 107.91,67.232 107.925,67.217 107.925,66.175 U6.5@107.95,66.15 ; v1(109.036,65.3) 108.3,65.3 107.91,65.69 107.925,65.705 107.925,66.125 U6.5@107.95,66.15
  Bottom Layer w0.5: C129.1@108,64.75 108.25,65 108.736,65 v1(109.036,65.3) ; v1@109.036,65.294 109.107,65.223 109.309,65.425 R137.1@110.8,65.425
"VIN_CHG_Charger Lower": C3.1 Q1.S Q2.S Q5.2 Q6.2 R4.1 R8.2 R9.1 R10.1 | length 63.5
  Mid 2 (PWR) w1: v1(59.6,26.7) 68.522,26.7 71.377,29.555 v1(71.377,29.599) 71.862,29.599 74.962,26.5 80.9,26.5 85.175,22.225 91.175,22.225 94.1,19.3 v1(95.399,19.3)
  Bottom Layer w0.5: v1(59.6,26.7) 59.627,26.727 R8.2@60.55,26.727 ; R4.1@69.776,28.199 C3.1@69.776,29.599 v1(71.377,29.599) 73.847,29.599 Q1.S@75.4,31.152 Q1.S@75.4,31.802 Q1.S@75.4,32.452 73.51,32.452 Q2.S@73.46,32.402 Q2.S@73.46,33.052 Q2.S@73.46,33.702 ; v1(95.399,19.3) 95.649,19.05 Q6.2@96.749,19.05 97.849,19.05 R10.1@98.099,19.3 99,18.399 99,16 98.75,15.75 R9.1@98.099,15.75 97.999,15.65 Q5.2@96.749,15.65
"VIN_CHG_Charger Upper": C29.1 Q9.S Q10.S Q13.2 Q14.2 R38.1 R42.2 R43.1 R44.1 | length 63.2
  Mid 2 (PWR) w1: v1(59.6,66.7) 68.522,66.7 71.377,69.555 v1(71.377,69.599) 74.576,66.4 80.6,66.4 83.851,63.149 89.451,63.149 93.95,58.65 v1(95.75,58.65)
  Bottom Layer w0.5: v1(59.6,66.7) 59.627,66.727 R42.2@60.55,66.727 ; R38.1@69.776,68.199 C29.1@69.776,69.599 v1(71.377,69.599) 73.847,69.599 Q9.S@75.4,71.152 Q9.S@75.4,72.452 73.51,72.452 Q10.S@73.46,72.402 Q10.S@73.46,73.702 ; v1(95.75,58.65) Q14.2@96.75,58.65 97.85,58.65 R44.1@98.1,58.9 99,58 99,56.25 98.975,56.225 98.975,56.215 98.685,55.925 98.675,55.925 R43.1@98.1,55.35 98.025,55.275 96.775,55.275 Q13.2@96.75,55.25
pads on no net: D5.1@91.399,20.4 D10.1@91.4,60 D16.1@151.2,67.4 D17.1 D21.1@130.8,6.9 D22.1@140.8,6.9 J3.1@89.199,23.8 J6.1@89.2,63.4 J11. J11.1@139.5,48 J12. J12.1@127.5,31 J17. J17.1@158.5,48 J18. J18.1@146.5,31 J23. J23.1@177.5,48 J24. J24.1@165.5,31 J29. J29.1@196.5,48 J30. J30.1@184.5,31 J31.7 J31.8 J31.10 J31.11 J31.12 J31.13 J31.15 J31.16 J31.19 J31.21 J31.23 J31.24 J31.26 J31.27 J31.28 J31.29 J31.31 J31.35 J31.36 J31.38 J31.40 J32.1@158.4,10.855 J33.3 J33.4 J33.5 J34.1@171.4,10.855 J35.1@184.4,10.855 J36.5 J37.3 J37.4 J37.5 J41.1@89.2,75.825 J49.1@145.45,10.855 L10.1@125.7,46.4 L11.1@144.7,46.4 L12.1@163.7,46.4 L13.1@182.7,46.4 MP1.1 MP2.1 MP3.1 MP4.1 MP5.1 MP6.1 Q1.1 Q2.1 Q3.1 Q4.1 Q5.1@96.999,18.2 Q6.1@96.999,21.6 Q7.1 Q8.1@77.9,21.127 Q9.1 Q10.1 Q11.1 Q12.1 Q13.1@97,57.8 Q14.1@97,61.2 Q15.1 Q16.1@77.9,61.127 Q17.1 Q18.1 Q19.1@186,66.8 Q20.1 Q21.1 Q22.1 Q23.1@106.8,65.525 Q24.1@106.85,68.775 Q25.1 Q26.1 Q27.1 Q28.1 Q29.1@146.6,4.4 Q30.1@140.6,4.4 Q31.1@136.6,4.4 Q32.1@130.6,4.4 U1.1@64.3,24.627 U2.1@64.3,64.627 U3.1@112.425,49.95 U6.1@107.3,63.2 U7.1@109.375,60.6 U7.8 U8.1@112.15,11.75 U8.6 U8.7 U9.1@136.3,67.3

## Polygon pours and split planes (outlines as drawn)
GND on Bottom Layer "GND_L04_P016" (solid, remove dead copper, pour order 16): 0,0 0,19 25,19 36,30 36,34 63,34 67,38 94,38 100,44 100,80 200,80 200,0
"GND_BAT_Charger Upper" on Bottom Layer "GND_BAT_CHARGER_UPPER_L04_P000" (solid, remove dead copper, pour order 0): 94,38 100,44 100,80 36,80 36,34 54.9,34 54.9,25.8 61.9,25.8 61.9,31.027 63,32.127 63,34 65,36 86,36 86,29 85,28 81.5,28 81.5,21 88,21 88,38
+3V3 on Mid 2 (PWR) "+3V3_L03_P008" (solid, remove dead copper, pour order 8): 151,80 151,64 200,64 200,80
+5V on Mid 2 (PWR) "+5V_L03_P007" (solid, remove dead copper, pour order 7): 136,80 136,67 133,64 154,64 154,80
+48V on Mid 2 (PWR) "+48V_L03_P006" (solid, remove dead copper, pour order 6): 200,64 119,64 119,26 109.5,16.5 109.5,0 122,0 122,9 139,26 200,26
+24V on Mid 2 (PWR) "+24V_L03_P001" (solid, remove dead copper, pour order 1): 102,55 107,55 107,56 116.157,65.157 128.163,65.157 133.157,65.157 136,68 136,80 102,80
GND on Mid 2 (PWR) "GND_L03_P017" (solid, remove dead copper, pour order 17): 0,0 109.5,0 109.5,16.5 119,26 119,63.449 114.449,63.449 107,56 107,55 102,55 102,26 75,26 71.5,29.5 68,26 32,26 25,19 0,19
NetC105_2 on Mid 2 (PWR) "NETC105_2_L03_P002" (solid, remove dead copper, pour order 2): 122,0 122,4.5 154.5,4.5 183,33 183,44 192,44 195,41 195,36 200,36 200,0
"GND_BAT_Charger Upper" on Mid 2 (PWR) "GND_BAT_CHARGER_UPPER_L03_P010" (solid, remove dead copper, pour order 10): 32,26 36,30 36,66 68,66 71.25,69.25 74.5,66 81,66 83,64 102,64 102,26 36,26
NetC83_2 on Mid 2 (PWR) "NETC83_2_L03_P004" (solid, remove dead copper, pour order 4): 122,8 127,8 129,10 136,10 157,31 157,43 146,43 146,33 125,12 122,12
NetC94_2 on Mid 2 (PWR) "NETC94_2_L03_P003" (solid, remove dead copper, pour order 3): 122,4.5 154.5,4.5 176,26 176,43 164,43 163,42 163,37 136,10 129,10 127,8 122,8
NetC27_1 on Mid 2 (PWR) "NETC27_1_L03_P009" (solid, remove dead copper, pour order 9): 102,80 36,80 36,66 81,66 83,64 102,64
NetC72_2 on Mid 2 (PWR) "NETC72_2_L03_P005" (solid, remove dead copper, pour order 5): 122,12 125,12 138,25 138,41 136,43 122,43
GND on Mid 1 (GND) "GND_L02_P012" (solid, remove dead copper, pour order 12): 0,0 0,19 25,19 36,30 36,34 80,34 84,38 94,38 100,44 100,80 200,80 200,0
"GND_BAT_Charger Upper" on Mid 1 (GND) "GND_BAT_CHARGER_UPPER_L02_P011" (solid, remove dead copper, pour order 11): 36,80 36,34 80,34 84,38 94,38 100,44 100,80
GND on Top Layer "GND_L01_P015" (solid, remove dead copper, pour order 15): 0,0 0,19 25,19 36,30 36,34 80,34 84,38 100,38 100,80 200,80 200,0
"GND_BAT_Charger Upper" on Top Layer "GND_BAT_CHARGER_UPPER_L01_P013" (solid, remove dead copper, pour order 13): 36,80 36,34 80,34 84,38 100,38 100,80

## Keep-outs
Keep-Out Layer:
  lines w0.2: 0,19 25,19 36,30 36,80

## Other copper
Top Layer:
  rectangle net NetC72_2: 121.4,11.9 124.7,15.1
  rectangle net NetC83_2: 121.4,8.2 124.7,11.6
  rectangle net NetC94_2: 121.4,4.5 124.7,8
  rectangle net NetC105_2: 121.4,1 124.7,4.3
  region net NetL8_1: 103.3,19.7 103.7,19.3 106.6,19.3 106.8,19.5 106.8,27.9 107.75,28.85 107.75,31.25 107.5,31.5 104.5,31.5 104.25,31.5 103.3,30.55
  region net +24V_filt: 104.2,34.7 107.7,34.7 108,34.4 108,32.7 109.8,32.7 109.8,38.8 107.7,38.8 104.9,41.6 104.9,42.7 105.4,43.2 105.4,46.7 105.4,48.8 101.8,48.8 100.2,47.2 100.2,36.8 102.3,34.7
  region net NetD19_2: 101.8,68.3 101.8,65.9 100.4,64.5 100.4,61.5 104.2,61.5 104.2,65.5 104.6,65.9 104.6,67.6 105.2,68.2 106,68.2 106,68.8 104.9,68.8 104.4,68.3
  region net +24V: 100.4,58.5 100.4,55.5 101.9,54 101.9,52.6 106.9,52.6 106.8,52.7 106.8,56.1 104.4,58.5
  region net SW: 111.5,31 111.5,28 112,27.5 114.25,27.5 114.75,27 114.75,19.25 118.2,19.25 118.2,28.1 117.35,28.1 117.35,29 114.25,29 114,29.25 114,31
  region net NetC60_1: 115,35.5 115,32.5 115.5,32 115.5,29.5 119.5,29.5 122.25,32.25 122.25,34.5 117.75,34.5 116.75,35.5
Bottom Layer:
  region net NetC39_1: 57,60.3 57,58.5 58,57.5 58,54.2 61.2,54.2 61.2,60.3
  region net NetC38_2: 53.8,63.5 53.8,62.7 53.2,62.1 46.4,62.1 46.4,59.7 51,59.7 51.7,59 54.8,59 54.8,61.5 55.2,61.9 55.8,61.9 55.8,63.5
  region net NetL5_2: 46.4,53.4 54,53.4 55,54.4 55,57.8 51.9,57.8 50.1,56 46.4,56
  region net NetC31_1: 50.9,73.3 50.9,65.8 52.6,64.1 56.4,64.1 56.4,66.7 53.3,69.8 53.3,73.3
  region net "VIN_CHG_Charger Upper": 73.1,74 73.1,72.2 74,72.2 74.9,71.3 74.9,71 75.7,71 75.7,72.7 75,72.7 74.8,72.9 74.8,74
  region net NetQ10_D: 66.2,70.9 66.2,74.6 69.5,74.6 70.1,74 72.6,74 72.6,71.5 70.1,71.5 69.5,70.9
  region net NetQ2_D: 66.2,30.9 66.2,34.6 69.5,34.6 70.1,34 72.6,34 72.6,30.9 69.5,30.9
  region net NetC43_1: 76.9,52.5 76.9,46.25 77.9,45.25 77.9,41.25 80.15,41.25 80.15,46 84.15,50 84.15,57 84.4,57.25 84.4,60 81.9,60 81.9,56.5 77.9,52.5
  region net NetC17_1: 77,13 77,6.75 78,5.75 78,1.75 80.25,1.75 80.25,6.5 84.25,10.5 84.25,17.5 84.5,17.75 84.5,20.5 82,20.5 82,17 78,13
  region net "VIN_CHG_Charger Lower": 73.1,34 73.1,32.2 74,32.2 74.9,31.3 74.9,31 75.7,31 75.7,32.7 75,32.7 74.8,32.9 74.8,34
  region net NetC5_1: 50.9,33.3 50.9,25.8 52.6,24.1 56.4,24.1 56.4,26.7 53.3,29.8 53.3,33.3
  region net NetL2_2: 46.4,13.4 54,13.4 55,14.4 55,17.8 51.9,17.8 50.1,16 46.4,16
  region net NetC12_2: 53.8,23.5 53.8,22.7 53.2,22.1 46.4,22.1 46.4,19.7 51,19.7 51.7,19 54.8,19 54.8,21.5 55.2,21.9 55.8,21.9 55.8,23.5
  region net NetC13_1: 57,20.3 57,18.5 58,17.5 58,14.2 61.2,14.2 61.2,20.3
Multi-Layer:
  pour cut-out: 131.45,66.6 131.45,59.9 135.2,59.9 135.2,66.6
  pour cut-out: 53.35,74.827 53.35,68.127 57.1,68.127 57.1,74.827
  pour cut-out: 44.899,55.95 51.599,55.95 51.599,59.7 44.899,59.7
  pour cut-out: 73.549,54.4 73.549,47.7 77.299,47.7 77.299,54.4
  pour cut-out: 73.549,14.4 73.549,7.7 77.299,7.7 77.299,14.4
  pour cut-out: 53.35,34.827 53.35,28.127 57.1,28.127 57.1,34.827
  pour cut-out: 44.899,15.95 51.599,15.95 51.599,19.7 44.899,19.7
  pour cut-out: 117.125,34.575 123.825,34.575 123.825,38.325 117.125,38.325
  pour cut-out: 100.2,48.85 106.9,48.85 106.9,52.6 100.2,52.6
  pour cut-out: 107,28 107,15.5 114.5,15.5 114.5,28

## Silkscreen, mask and mechanical layers (free items; w line width, h text height)
Top Overlay:
  circle w0.1: c126,75 r4
  circle w0.1: c102.5,5 r4
  circle w0.1: c195,5 r4
  circle w0.1: c195,75 r4
  circle w0.1: c5,75 r4
  circle w0.1: c5,5 r4
  lines w0.4: 97,1.5 99,1.5 ; 97.75,9.75 99.75,9.75 ; 97.75,42.5 99.75,42.5 ; 97.75,49.25 99.75,49.25 ; 98,0.5 98,2.5 ; 98.75,41.5 98.75,43.5 ; 103,70 104.5,70 ; 106,70 107.5,70 ; 106.75,69.25 106.75,70.75 ; 113.75,70 115.25,70 ; 114,62.5 115.5,62.5 ; 116.75,70 118.25,70 ; 117.5,69.25 117.5,70.75 ; 123.75,62.5 125.25,62.5 ; 124.5,61.75 124.5,63.25 ; 126,9.5 127.5,9.5 ; 145.542,10 147.042,10 ; 146.25,9.25 146.25,10.75 ; 151.25,10 152.75,10 ; 158.5,10 160,10 ; 159.25,9.25 159.25,10.75 ; 164.25,10 165.75,10 ; 171.5,10 173,10 ; 172.25,9.25 172.25,10.75 ; 177.25,10 178.75,10 ; 184.5,10 186,10 ; 185.25,9.25 185.25,10.75
  text "+24V" at 102.7,77.6 h2.5
  text "+24V" at 113.4,77.6 h2.5
  text "SW" at 90.979,76 h2 r90
  text "PoE Side" at 154.5,67.292 h4
  text "+48V" at 116.9,66.626 h2.5
  text "N" at 5,66 h4
  text "LED" at 91,62.8 h2 r90
  text "A0" at 110.75,55.771 h2
  text "Danke an die Firma Schiller AG" at 37.979,46 h2 r90
  text "BAT 2" at 89.75,37.25 h4
  text "BAT 1" at 89.75,28.25 h4
  text "L" at 5,28 h4
  text "LED" at 91,23.25 h2 r90
  text "PE" at 4,19 h4
  text "Switch Side" at 123.719,16.25 h3 r90
  text "A0" at 99,15.521 h2
  text "A1" at 99,14 h2
  text "A2" at 99,12.5 h2
  text "5V" at 154,11.531 h3
  text "LED 2" at 178,11.5 h3
  text "LED 1" at 165.7,11.4 h3
  text "A3" at 99,10.522 h2
  text "PoE / LED" at 125,10.5 h2
  text "A. Horat" at 9.5,8.021 h2
  text "D. Winz" at 9.5,6 h2
  text "FSCH 2024" at 9.5,4.021 h2
Bottom Overlay:
  circle w0.1: c126,75 r4
  circle w0.1: c102.5,5 r4
  circle w0.1: c195,5 r4
  circle w0.1: c195,75 r4
  circle w0.1: c5,75 r4
  circle w0.1: c5,5 r4
  text "A. Horat" at 19,3.021 h2
  text "D. Winz" at 19,1 h2
Mechanical 1:
  the board outline again, w0.1

## Text inside footprints (layer, text, board x,y; h text height)
J31: Top Overlay "1" at 132.386,73.564 h2 r90; Top Overlay "2" at 132.386,75.915 h2 r90; Top Overlay "39" at 193.131,69.583 h2 r90; Bottom Overlay "1" at 138.442,72.036 h2 r90; Bottom Overlay "2" at 136.958,76.765 h2 r90; Bottom Overlay "39" at 188.636,74.717 h2 r90; Bottom Overlay "40" at 188.637,77.281 h2 r90
?: Top Overlay "JLCJLCJLCJLC" at 21.179,1.016 h1.2